# Altium PCB EinsyRetro.PcbDoc (part 1 of 5) (continued)
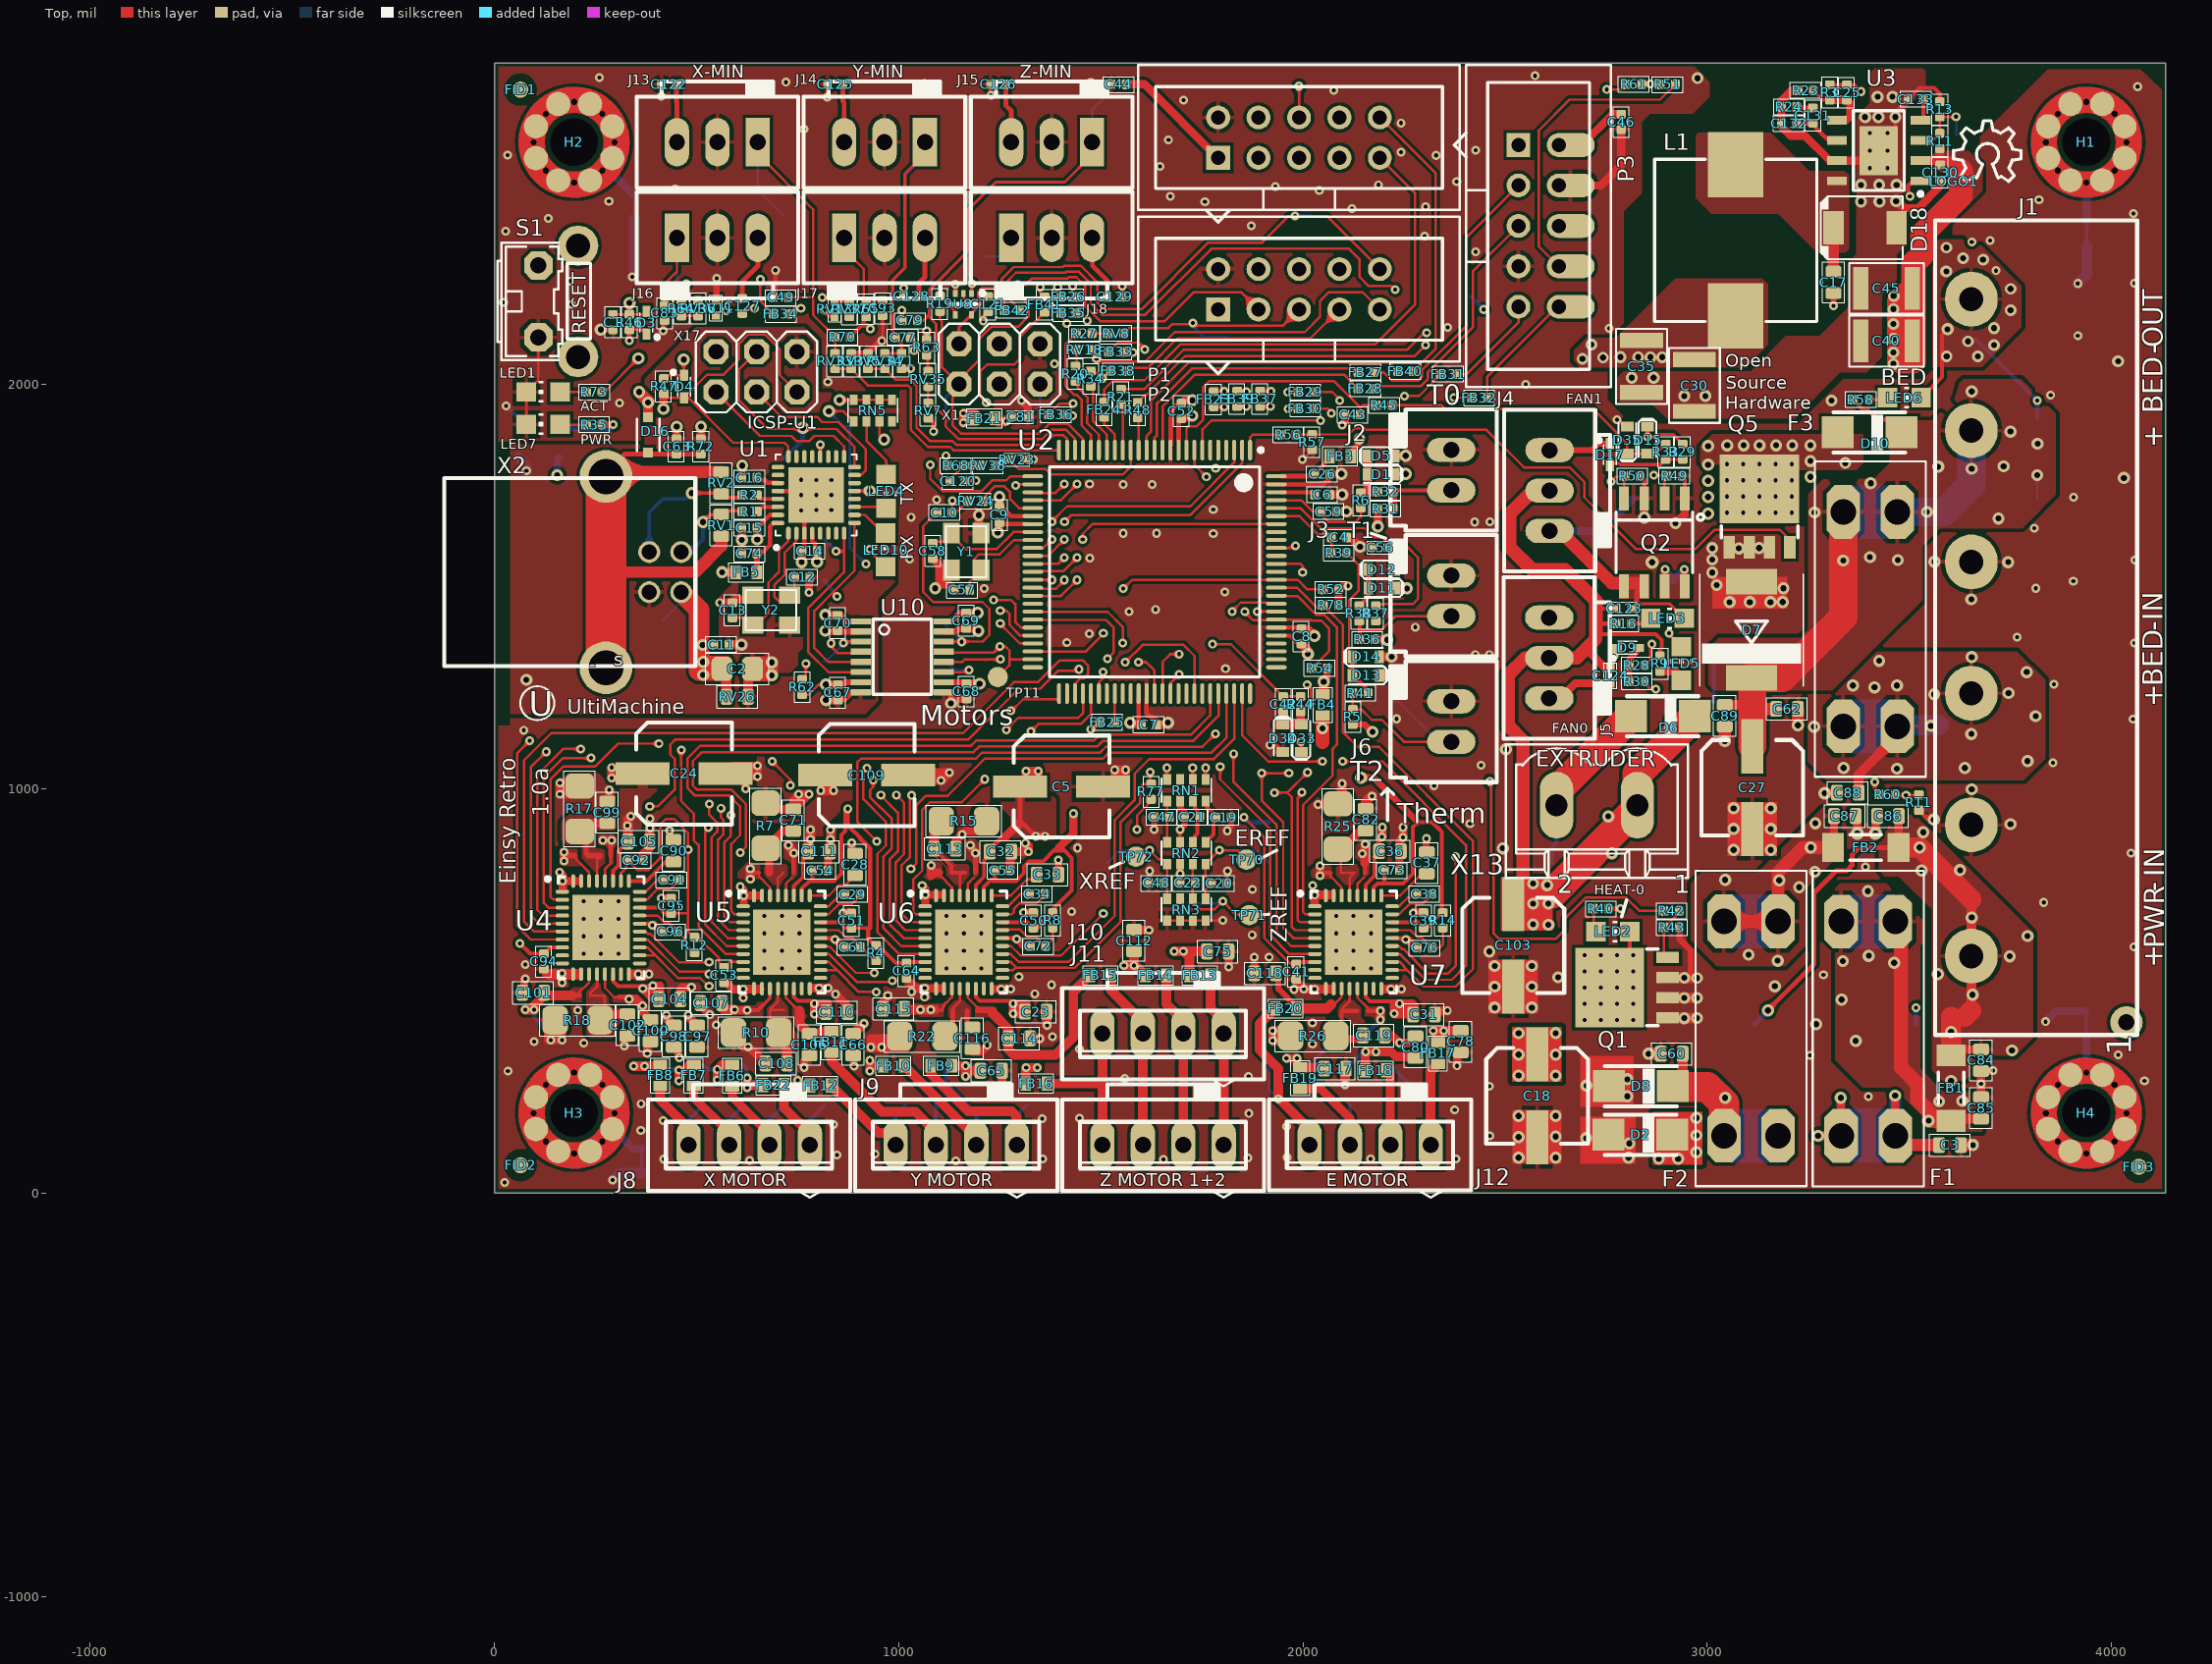
[diagram p0: Top view]
## Components (designator, comment, footprint, x,y, rotation, side; value= is the part's Value field where it differs from the comment)
C1 "22pF" C0402#1 293,2154 r270 top
C2 "10uF" C0805 601,1296 r180 top
C3 "100nF" C0603 3600,118 r0 top
C4 "100nF" C0402#1 2089,1621 r0 top
C5 "UWT1V101MCL1GS" CAP-ELEC-063063077 1402.64,1005 r180 top locked value=100uF
C6 "100nF" C0402#1 2047.5,1726.63 r0 top
C7 "100nF" C0402#1 1618.61,1157.8 r0 top
C8 "100nF" C0402#1 1996,1376.27 r90 top
C9 "100nF" C0402#1 1249,1677 r270 top
C10 "100nF" C0402#1 1113,1682.5 r0 top
C11 "100nF" C0402#1 561,1356 r0 top
C12 "22pF" C0402#1 761,1523 r0 top
C13 "22pF" C0402#1 589,1441 r90 top
C14 "100nF" C0402#1 779.65,1587.79 r180 top
C15 "100nF" C0402#1 631,1645 r180 top
C16 "1uF" C0402#1 631,1769 r180 top
C17 "100nF" C0603 3312,2252 r90 top
C18 "UWT1V101MCL1GS" CAP-ELEC-063063077 2579,240 r90 top locked value=100uF
C19 "1uF" C0402#1 1803.43,928.84 r0 top
C20 "1uF" C0402#1 1792.43,765.46 r0 top
C21 "1uF" C0402#1 1725.68,929.83 r180 top
C22 "1uF" C0402#1 1714.68,766.44 r180 top
C23 "100nF" C0603 1339,448 r180 top
C24 "UWT1V101MCL1GS" CAP-ELEC-063063077 469,1037 r180 top locked value=100uF
C25 "10pF" C0402#2 3345,2722 r270 top
C26 "100nF" C0402#1 2047,1778 r0 top
C27 "UWT1V101MCL1GS" CAP-ELEC-063063077 3111,1002 r90 top locked value=100uF
C28 "100nF" C0603 892,812 r90 top
C29 "22nF" C0402#1 885.38,738 r0 top
C30 "47uF" C1210 2968,1997 r90 top
C31 "100nF" C0603 2299,441 r180 top
C32 "100nF" C0603 1252,844 r180 top
C33 "100nF" C0603 1368,787 r0 top
C34 "22nF" C0402#1 1342,739 r0 top
C35 "47uF" C1210 2837,2044 r90 top
C36 "100nF" C0603 2215,845 r180 top
C37 "100nF" C0603 2306,816 r90 top
C38 "22nF" C0402#1 2300,739 r0 top
C39 "100nF" C0402#1 2298,674 r270 top
C40 "4.7uF" C1210 3443,2107 r0 top
C41 "100nF" C0402#1 1983,547 r90 top
C42 "100nF" C0402#1 1951,1209 r270 top
C43 "100nF" C0402#1 2123,1925 r180 top
C44 "100nF" C0402#1 1544,2742 r180 top
C45 "4.7uF" C1210 3443,2237 r0 top
C46 "100nF" C0402#1 2787,2649 r90 top
C47 "1uF" C0402#1 1650.87,929.83 r180 top
C48 "1uF" C0402#1 1636.92,766.44 r180 top
C49 "100nF" C0402#2 708.15,2215 r0 top
C50 "100nF" C0402#1 1333,674 r270 top
C51 "100nF" C0402#1 883,673 r270 top
C52 "100nF" C0402#1 1699,1934 r90 top
C53 "100nF" C0402#1 568,538 r90 top
C54 "100nF" C0402#1 806,797 r180 top
C55 "100nF" C0402#1 1257,797 r180 top
C56 "100nF" C0402#3 2191,1596 r180 top
C57 "22pF" C0402#1 1156.92,1491.2 r180 top
C58 "22pF" C0402#1 1084,1588 r270 top
C59 "100nF" C0402#1 2063.24,1685.29 r0 top
C60 "100nF" C0603 2912,344 r180 top
C61 "1uF" C0402#1 886,608 r180 top
C62 "100nF" C0603 3197,1197 r0 top
C63 "4.7nF" C0402#1 450.53,1846 r90 top
C64 "100nF" C0402#1 1019,549 r90 top
C65 "1nF" C0603 1229,302 r0 top
C66 "1nF" C0603 887.25,366.25 r270 top
C67 "100nF" C0402#1 849.66,1237.46 r90 top
C68 "100nF" C0402#1 1167.57,1240.35 r90 top
C69 "100nF" C0402#1 1166.59,1415.61 r270 top
C70 "100nF" C0402#1 848.68,1409.7 r270 top
C71 "100nF" C0603 739,922 r270 top
C72 "1uF" C0402#1 1345,610 r180 top
C73 "100nF" C0402#1 2220,798 r180 top
C74 "100nF" C0402#1 631,1581 r180 top
C75 "1nF" C0603 1789,597 r0 top
C76 "1uF" C0402#1 2301,606 r180 top
C77 "100nF" C0402#2 1010,2116 r180 top
C78 "1nF" C0603 2390,374 r270 top
C79 "100nF" C0402#2 1028,2158 r0 top
C80 "1nF" C0603 2278,360.23 r90 top
C81 "4.7nF" C0402#3 1301,1919 r0 top
C82 "100nF" C0603 2155,923 r270 top
C83 "100nF" C0402#2 421,2176 r90 top
C84 "100nF" C0603 3677,328 r270 top
C85 "100nF" C0603 3677,210 r90 top
C86 "100nF" C0603 3447,932 r180 top
C87 "100nF" C0603 3340,932 r0 top
C88 "100nF" C0603 3347.5,989.5 r180 top
C89 "100nF" C0603 3043,1180 r270 top
C90 "100nF" C0603 443,846 r90 top
C91 "22nF" C0402#1 438,774 r0 top
C92 "100nF" C0402#1 350,823 r180 top
C93 "100nF" C0402#2 960,2188.15 r90 top
C94 "100nF" C0402#1 122,572 r90 top
C95 "100nF" C0402#1 437,710 r270 top
C96 "1uF" C0402#1 435,646 r180 top
C97 "1nF" C0603 501.5,387 r270 top
C98 "1nF" C0603 443.5,387.23 r270 top
C99 "100nF" C0603 279,941 r270 top
C100 "1nF" C0603 386,401 r270 top
C101 "1nF" C0603 96,495 r180 top
C102 "100nF" C0603 329,415 r90 top
C103 "UWT1V101MCL1GS" CAP-ELEC-063063077 2520,612 r90 top locked value=100uF
C104 "100nF" C0603 433,479 r180 top
C105 "100nF" C0603 357,869 r180 top
C106 "1nF" C0603 779.25,366.25 r270 top
C107 "1nF" C0603 536.25,469.25 r180 top
C108 "100nF" C0603 697,320 r0 top
C109 "UWT1V101MCL1GS" CAP-ELEC-063063077 920.61,1033.25 r180 top locked value=100uF
C110 "100nF" C0603 847,447 r180 top
C111 "100nF" C0603 803,844 r180 top
C112 "1nF" C0603 1582,624 r90 top
C113 "100nF" C0603 1114,851 r180 top
C114 "1nF" C0603 1298,382 r0 top
C115 "1nF" C0603 987,455 r180 top
C116 "100nF" C0603 1182.25,382.25 r90 top
C117 "1nF" C0603 2079,307 r0 top
C118 "1nF" C0603 1906,543 r180 top
C119 "100nF" C0603 2175,389 r180 top
C120 "100nF" C0402#2 1146,1760 r180 top
C121 "100nF" C0402#2 1221,2198 r270 top
C122 "100nF" C0402#1 432,2742 r180 top
C123 "100nF" C0402#3 2794,1445 r180 top
C124 "100nF" C0402#3 2760.25,1279.25 r90 top
C125 "100nF" C0402#1 843,2742 r180 top
C126 "100nF" C0402#1 1246,2742 r180 top
C127 "100nF" C0402#1 613,2194 r270 top
C128 "100nF" C0402#1 1031,2218 r180 top
C129 "100nF" C0402#1 1534,2216 r0 top
C130 "10nF" C0402#2 3576,2524 r270 top
C131 "2.2nF" C0402#2 3261,2665 r90 top
C132 "22pF" C0402#2 3202,2645 r180 top
C133 "10nF" C0402#2 3516,2705 r180 top
D1 "BAT54" SOD523_IPC 2193,1777 r180 top
D2 "SMAJ28A" SMA-SM#1 2834.81,143.83 r180 top
D3 "1N4148WT" SOD523 376,2152 r90 top
D4 "1N4148WT" SOD523 469.17,1994.13 r270 top
D5 "BAT54" SOD523_IPC 2193,1823 r0 top
D6 "SK310A-TP" SMA-SM#2 2890,1179 r180 top value=-NA-
D7 "S3A-13-F" DO-214AB 3109.33,1392.19 r90 top locked
D8 "SMAJ28A" SMA-SM#1 2835.72,263.68 r180 top
D9 "1N4148WT" SOD523 2802,1348 r0 top
D10 "SK310A-TP" SMA-SM#2 3401,1881 r180 top value=-NA-
D11 "BAT54" SOD523_IPC 2195,1496 r180 top
D12 "BAT54" SOD523_IPC 2195,1542 r0 top
D13 "BAT54" SOD523_IPC 2155.54,1280 r180 top
D14 "BAT54" SOD523_IPC 2155,1326 r0 top
D15 "BAT54" SOD523_IPC 2852,1862 r270 top
D16 "RSB39VTE-17" SOD323-R 380.17,1875.25 r270 top value=30V
D17 "1N4148WT" SOD523 2759,1826 r270 top
D18 "SK54B" SMB_DO-214AA_LRG 3390,2387 r0 top
D33 "BAT54" SOD523_IPC 1996,1124 r90 top
D34 "BAT54" SOD523_IPC 1950,1124 r270 top
D35 "BAT54" SOD523_IPC 2802,1862 r90 top
F1 "3557-2" 3557 3398,406 r270 top value=Fuse
F2 "3557-2" 3557 3107.95,406.39 r270 top locked value=Fuse
F3 "3557-2" 3557 3403,1419 r90 top locked value=Fuse
FB1 "BLM41PG600SN1L" L1806 3603,259 r270 top value=60R
FB2 "BLM41PG600SN1L" L1806 3392,854 r180 top value=60R
FB3 "120R" FB0603 2092,1822 r180 top value=120Rfb
FB4 "120R" FB0603 2049,1207 r270 top value=120Rfb
FB5 "120R" FB0603 623,1535 r0 top value=120Rfb
FB6 "120R" FB0603 588.25,290.07 r270 top value=120Rfb
FB7 "120R" FB0603 493.25,290.25 r270 top value=120Rfb
FB8 "120R" FB0603 410.25,290.25 r270 top value=120Rfb
FB9 "120R" FB0603 1105.25,314.25 r180 top value=120Rfb
FB10 "120R" FB0603 987.25,314.25 r0 top value=120Rfb
FB11 "120R" FB0603 833.25,373.25 r270 top value=120Rfb
FB12 "120R" FB0603 806.25,265.25 r0 top value=120Rfb
FB13 "120R" FB0603 1745,538 r0 top value=120Rfb
FB14 "120R" FB0603 1636,538 r0 top value=120Rfb
FB15 "120R" FB0603 1499,538 r0 top value=120Rfb
FB16 "120R" FB0603 1340.25,270.25 r0 top value=120Rfb
FB17 "120R" FB0603 2334,345 r270 top value=120Rfb
FB18 "120R" FB0603 2180,303 r0 top value=120Rfb
FB19 "120R" FB0603 1993,284 r270 top value=120Rfb
FB20 "120R" FB0603 1957,456 r180 top value=120Rfb
FB21 "120R" FB0603 1212,1916 r0 top value=120Rfb
FB22 "120R" FB0603 690.25,266.25 r0 top value=120Rfb
FB23 "120R" R0402#1 1779,1963 r90 top value=120Rfb
FB24 "120R" R0402#1 1508,1937 r270 top value=120Rfb
FB25 "120R" R0402#1 1515.7,1164 r0 top value=120Rfb
FB26 "120R" R0402#1 1420,2216 r0 top value=120Rfb
FB27 "120R" R0402#1 2155,2030 r0 top value=120Rfb
FB28 "120R" R0402#1 2154.9,1989 r0 top value=120Rfb
FB29 "120R" R0402#1 2006,1981 r180 top value=120Rfb
FB30 "120R" R0402#1 2006,1940 r180 top value=120Rfb
FB31 "120R" R0402#1 2359,2025 r0 top value=120Rfb
FB32 "120R" R0402#1 2436,1967 r180 top value=120Rfb
FB33 "120R" R0402#1 1538,2080 r0 top value=120Rfb
FB34 "120R" R0402#1 708.66,2173.9 r180 top value=120Rfb
FB35 "120R" R0402#1 1420,2176 r180 top value=120Rfb
FB36 "120R" R0402#1 1389,1925 r0 top value=120Rfb
FB37 "120R" R0402#1 1894,1964 r90 top value=120Rfb
FB38 "120R" R0402#1 1543,2033 r180 top value=120Rfb
FB39 "120R" R0402#1 1837,1964 r90 top value=120Rfb
FB40 "120R" R0402#1 2253,2032 r0 top value=120Rfb
FB41 "120R" R0402#1 1361,2197 r90 top value=120Rfb
FB42 "120R" R0402#1 1280,2183 r0 top value=120Rfb
FID1 "FIDUCIAL" FIDUCIAL-1X2 64.23,2728.6 r0 top
FID2 "FIDUCIAL" FIDUCIAL-1X2 64.23,68.17 r0 top
FID3 "FIDUCIAL" FIDUCIAL-1X2 4067.18,64.23 r0 top
H1 "Hole" Wave_hole_3x7-singleSided#1 3937.26,2598.68 r0 top
H2 "Hole" Wave_hole_3x7-singleSided#2 197.1,2598.68 r0 top
H3 "Hole" Wave_hole_3x7-singleSided#3 197.1,197.1 r0 top
H4 "Hole" Wave_hole_3x7-singleSided#3 3937.26,197.1 r0 top
J1 "2-1437667-9" CON-Barrier-6-8.26mm 3813,1398 r90 top locked value=6POS
J2 "CONN 2PIN VERT 0.1\" SHRD LOCKING" 70543-02 2366.39,1787.65 r270 top locked value=HDR2
J3 "CONN 2PIN VERT 0.1\" SHRD LOCKING" 70543-02 2366.39,1476.63 r270 top locked value=HDR2
J4 "Molex 70543-03" 70543-03#1 2610,1737 r90 top locked value=HDR3
J5 "Molex 70543-03" 70543-03#1 2609,1323 r90 top locked value=HDR3
J6 "CONN 2PIN VERT 0.1\" SHRD LOCKING" 70543-02 2366.39,1165.61 r270 top locked value=HDR2
J8 "Molex 0705430003" "4POL254 PIN-IN-PASTE" 630.25,118.25 r180 top locked
J9 "Molex 0705430003" "4POL254 PIN-IN-PASTE" 1142.06,118.25 r180 top locked
J10 "Molex 0705430003" "4POL254 PIN-IN-PASTE" 1653.87,393.84 r180 top locked
J11 "Molex 0705430003" "4POL254 PIN-IN-PASTE" 1653.87,118.25 r180 top locked
J12 "Molex 0705430003" "4POL254 PIN-IN-PASTE" 2166.08,118.65 r180 top locked
J13 "Molex 70543-03" 70543-03#2 551.43,2598.68 r180 top locked value=HDR3
J14 "Molex 70543-03" 70543-03#2 964.82,2598.68 r180 top locked value=HDR3
J15 "Molex 70543-03" 70543-03#2 1378.2,2598.68 r180 top locked value=HDR3
J16 "Molex 70543-03" 70543-03#2 551.43,2362.46 r0 top locked value=HDR3
J17 "Molex 70543-03" 70543-03#2 964.82,2362.46 r0 top locked value=HDR3
J18 "Molex 70543-03" 70543-03#2 1378.2,2362.46 r0 top locked value=HDR3
JP1 "SJ" SJ 879.19,1865.41 r270 bottom
JP3 "SJ_0805" R0805 160.25,1856.25 r90 bottom
JP4 "SJ_0805" R0805 58.25,1856.25 r90 bottom
L1 "4.7uH" IND_10X10 3070,2356 r270 top
LED1 "YEL" LED2012120 121,1981 r180 top
LED2 "RED" LED2012120 2766,646 r0 top
LED3 "RED" LED2012120 2901,1421 r0 top
LED4 "YEL" LED2012120 968.76,1735.49 r270 top
LED5 "RED" LED2012120 2936,1309 r90 top
LED6 "RED" LED2012120 3487,1967 r0 top
LED7 "GRN" LED2012120 121,1901 r180 top
LED10 "YEL" LED2012120 967.77,1589.82 r90 top
LOGO1 "OSHW_LOGO_8MILX0150-NT" OSHW_8X150_NOTEXT 3609,2502 r0 top
"Net Tie1" "NetTie" "Net Tie" 3937,417 r90 bottom net-tie
"Net Tie2" "NetTie" "Net Tie" 346.25,2439.25 r270 bottom net-tie
"Net Tie3" "NetTie" "Net Tie" 364.25,78.25 r270 bottom net-tie
"Net Tie4" "NetTie" "Net Tie" 3938.25,2373.25 r270 bottom net-tie
P1 "HDR10" "HDR2X5 IDC" 1990,2610 r0 top locked
P2 "HDR10" "HDR2X5 IDC" 1990,2235 r0 top locked
P3 "HDR10" "HDR2X5 IDC THIEVING" 2582.68,2391.71 r270 top locked
Q1 "PSMN1R8-40YLC" SOT669 2801.81,507.68 r90 top value=N-FET
Q2 "NCV8402AD" NCV8402AD-SOIC8 2869,1609.15 r180 top locked value=NCV8402
Q5 "PSMN1R8-40YLC" SOT669 3129,1697.39 r0 top value=N-FET
R1 "22r" R0402#1 631,1685 r0 top value=22R
R2 "22r" R0402#1 631,1726 r0 top value=22R
R3 "10.2k" R0402#1 3303,2722 r270 top
R4 "10R" R0402#1 944,593 r90 top
R5 "4.7K" R0402#1 2123,1177 r270 top value=4.7k
R6 "2k37" R0402#1 2143,1713 r270 top
R7 "0.12R" R1206 671,908 r90 top
R8 "10R" R0402#1 1381,674 r90 top
R9 "1.8K" R0402#1 2883,1309 r270 top
R10 "0.12R" R1206 647.25,396.25 r180 top
R11 "665k" R0402#1 3575,2602 r270 top
R12 "10R" R0402#1 495,613 r90 top
R13 "130k" R0402#1 3575,2680 r270 top
R14 "10R" R0402#1 2346,674 r90 top
R15 "0.12R" R1206 1161.25,919.25 r0 top
R16 "1.8K" R0402#1 2793,1408 r0 top
R17 "0.12R" R1206 211,950 r90 top
R18 "0.12R" R1206 206,427 r180 top
R19 "22r" R0402#1 1102,2199 r90 top value=22R
R20 "22r" R0402#1 1437,2026 r90 top value=22R
R21 "100R" R0402#1 1550,1969 r90 top
R22 "0.12R" R1206 1058.25,387.25 r180 top
R23 "1.96k" R0402#1 3243,2727 r0 top
R24 "37.4k" R0402#1 3202,2686 r0 top
R25 "0.12R" R1206 2086.25,906.25 r90 top
R26 "0.12R" R1206 2025,388 r180 top
R27 "22r" R0402#1 1459,2126 r0 top value=22R
R28 "1.8K" R0402#1 2826,1305 r0 top
R29 "1.8K" R0402#1 2939,1833 r90 top
R30 "1K" R0402#1 2826,1265 r180 top
R31 "4.7K" R0402#1 2204,1692 r180 top value=4.7k
R32 "2k37" R0402#1 2204,1734 r180 top
R33 "1K" R0402#1 2897,1833 r270 top
R34 "22r" R0402#1 1475,2014 r270 top value=22R
R35 "1K" R0402#1 247,1900 r0 top
R36 "4.7K" R0402#1 2159,1369 r0 top value=4.7k
R37 "2k37" R0402#1 2180,1433 r90 top
R38 "2k37" R0402#1 2139,1433 r90 top
R39 "2k37" R0402#1 2089,1583 r180 top
R40 "1.8K" R0402#1 2737,703 r180 top
R41 "2k37" R0402#1 2142,1236 r0 top
R42 "100R" R0402#1 2912,697 r0 top
R43 "100K" R0402#1 2912.4,656.5 r180 top
R44 "1K" R0402#1 1994,1209 r270 top
R45 "1K" R0402#1 2201,1948 r0 top
R46 "10K" R0402#1 334,2154 r270 top
R47 "10K" R0402#1 418.98,1995.11 r90 top
R48 "100R" R0402#1 1591,1936 r90 top
R49 "100K" R0402#1 2919,1773 r0 top
R50 "100K" R0402#1 2815,1773 r0 top
R51 "10K" R0402#1 2902,2742 r180 top
R52 "10K" R0402#1 2069,1492.5 r0 top
R54 "10K" R0402#1 2041,1297.5 r0 top
R56 "100R" R0402#1 1963.61,1874.95 r0 top
R57 "100K" R0402#1 2022.98,1856.97 r90 top
R58 "1.8K" R0402#1 3380,1962 r0 top
R60 "4.7k" R0402#1 3446.25,985.25 r180 top
R61 "10K" R0402#1 2818,2742 r0 top
R62 "10K" R0402#1 761.25,1251.25 r270 top
R63 "10K" R0402#1 1069,2091 r270 top
R64 "10K" R0402#1 462.56,2187.91 r270 top
R65 "10K" R0402#1 919.39,2186.02 r90 top
R68 "10K" R0402#1 1141.12,1798.77 r0 top
R70 "10K" R0402#1 861.22,2117.13 r180 top
R71 "10K" R0402#1 1006.89,2057.09 r90 top
R72 "1M" R0402#1 510.53,1846.01 r270 top
R73 "1K" R0402#1 247.25,1981 r0 top
R77 "10K" R0402#1 1624.25,992.25 r270 top
R78 "10K" R0402#1 2069,1453.5 r0 top
RN1 "5.6k" CAY16 1711.72,995.77 r180 top
RN2 "5.6k" CAY16 1711.72,840.26 r180 top
RN3 "10K" CAY16 1711.72,700.5 r180 top
RN5 "1K" CAY16 936.28,1935.29 r180 top
RT1 "NTCG104LH104JT1" R0402#2 3523.25,965.25 r90 top
RV1 "CG0603MLC-05E" R0603 561,1651 r90 top value=5V
RV2 "CG0603MLC-05E" R0603 561,1756 r270 top value=5V
RV3 "VRS0402SR55R101N" C0402#1 882.48,2057.14 r270 top value=12V
RV5 "VRS0402SR55R101N" C0402#1 923.48,2057.14 r270 top value=12V
RV7 "VRS0402SR55R101N" C0402#1 1073,1935 r90 top value=12V
RV8 "120R" R0402#1 1538,2126 r0 top value=120Rfb
RV11 "VRS0402SR55R101N" C0402#3 548,2189 r270 top value=12V
RV13 "VRS0402SR55R101N" C0402#3 841.54,2186.02 r90 top value=12V
RV18 "120R" R0402#1 1459,2085 r0 top value=120Rfb
RV23 "VRS0402SR55R101N" C0402#3 1292.16,1813.65 r180 top value=12V
RV24 "0R" R0402#1 1190,1711 r0 top
RV26 "CG0603MLC-05E" R0603 600.5,1227 r180 top value=5V
RV33 "120R" R0402#1 842.58,2057.04 r90 top value=120Rfb
RV34 "120R" R0402#1 965.55,2057.09 r90 top value=120Rfb
RV35 "120R" R0402#1 1073,2013 r90 top value=120Rfb
RV36 "120R" R0402#1 503.9,2187.91 r270 top value=120Rfb
RV37 "120R" R0402#1 877.79,2185.83 r270 top value=120Rfb
RV38 "120R" R0402#1 1220.65,1799.26 r180 top value=120Rfb
S1 "1571610-2" B3F-31XX 157.73,2204.98 r270 top locked value="Tact PB R/A"
TP1 "TestPoint" TP1-27#1 116,416 r90 bottom
TP2 "TestPoint" TP1-27#1 1216,316 r90 bottom
TP3 "TestPoint" TP1-27#1 3016,1316 r180 bottom
TP4 "TestPoint" TP1-27#1 1016,316 r90 bottom
TP5 "TestPoint" TP1-27#1 1816,316 r90 bottom
TP6 "TestPoint" TP1-27#1 1616,316 r90 bottom
TP7 "TestPoint" TP1-27#1 1716,316 r90 bottom
TP8 "TestPoint" TP1-27#1 1916,916 r90 bottom
TP9 "TestPoint" TP1-27#1 2216,316 r90 bottom
TP10 "TestPoint" TP1-27#1 2016,316 r90 bottom
TP11 "TestPoint" TP1-27#1 1245,1276 r90 top
TP12 "TestPoint" TP1-27#1 1516,816 r90 bottom
TP13 "TestPoint" TP1-27#1 1716,716 r90 bottom
TP14 "TestPoint" TP1-27#1 1916,816 r90 bottom
TP15 "TestPoint" TP1-27#1 2216,1216 r90 bottom
TP16 "TestPoint" TP1-27#1 3816,1716 r180 bottom
TP17 "TestPoint" TP1-27#1 2616,816 r180 bottom
TP18 "TestPoint" TP1-27#1 3816,1916 r180 bottom
TP19 "TestPoint" TP1-27#1 2116,316 r90 bottom
TP20 "TestPoint" TP1-27#1 2216,1716 r180 bottom
TP21 "TestPoint" TP1-27#1 2216,1416 r180 bottom
TP22 "TestPoint" TP1-27#1 2816,1716 r90 bottom
TP23 "TestPoint" TP1-27#1 2916,1516 r90 bottom
TP24 "TestPoint" TP1-27#1 816,1316 r180 bottom
TP25 "TestPoint" TP1-27#1 816,1516 r180 bottom
TP26 "TestPoint" TP1-27#1 816,1616 r180 bottom
TP27 "TestPoint" TP1-27#1 416,2216 r90 bottom
TP28 "TestPoint" TP1-27#1 516,1616 r90 bottom
TP29 "TestPoint" TP1-27#1 1116,1416 r180 bottom
TP30 "TestPoint" TP1-27#1 1216,1316 r180 bottom
TP31 "TestPoint" TP1-27#1 1116,1316 r180 bottom
TP32 "TestPoint" TP1-27#1 2416,2216 r90 bottom
TP33 "TestPoint" TP1-27#1 3016,1216 r90 bottom
TP34 "TestPoint" TP1-27#1 1116,1916 r180 bottom
TP35 "TestPoint" TP1-27#1 416,1716 r90 bottom
TP36 "TestPoint" TP1-27#1 1816,2116 r180 bottom
TP37 "TestPoint" TP1-27#1 1316,1916 r180 bottom
TP38 "TestPoint" TP1-27#1 716,2416 r180 bottom
TP39 "TestPoint" TP1-27#1 716,216 r90 bottom
TP40 "TestPoint" TP1-27#1 1016,2516 r180 bottom
TP41 "TestPoint" TP1-27#1 816,216 r90 bottom
TP42 "TestPoint" TP1-27#1 716,1816 r180 bottom
TP43 "TestPoint" TP1-27#1 616,1916 r180 bottom
TP44 "TestPoint" TP1-27#1 416,2016 r180 bottom
TP45 "TestPoint" TP1-27#1 716,1916 r180 bottom
TP46 "TestPoint" TP1-27#1 416,1416 r180 bottom
TP47 "TestPoint" TP1-27#1 316,1516 r180 bottom
TP48 "TestPoint" TP1-27#1 1516,2716 r180 bottom
TP49 "TestPoint" TP1-27#1 516,216 r90 bottom
TP50 "TestPoint" TP1-27#1 1116,316 r90 bottom
TP51 "TestPoint" TP1-27#1 1516,316 r90 bottom
TP52 "TestPoint" TP1-27#1 1916,316 r90 bottom
TP53 "TestPoint" TP1-27#1 716,316 r90 bottom
TP54 "TestPoint" TP1-27#1 816,2416 r90 bottom
TP55 "TestPoint" TP1-27#1 1416,2016 r90 bottom
TP56 "TestPoint" TP1-27#1 616,216 r90 bottom
TP57 "TestPoint" TP1-27#1 1316,216 r90 bottom
TP58 "TestPoint" TP1-27#1 1016,216 r90 bottom
TP59 "TestPoint" TP1-27#1 2216,216 r90 bottom
TP60 "TestPoint" TP1-27#1 2116,216 r90 bottom
TP61 "TestPoint" TP1-27#2 1216,2316 r90 bottom
TP62 "TestPoint" TP1-27#3 3616,2616 r270 bottom
TP63 "TestPoint" TP1-27#3 2016,2416 r270 bottom
TP66 "TestPoint" TP1-27#1 3116,416 r180 bottom
TP67 "TestPoint" TP1-27#1 3316,416 r180 bottom
TP68 "TestPoint" TP1-27#1 3516,416 r180 bottom
TP69 "TestPoint" TP1-27#1 2813,184 r90 bottom
TP70 "TestPoint" TP1-27#1 1860,824 r90 top
TP71 "TestPoint" TP1-27#1 1867,687 r90 top
TP72 "TestPoint" TP1-27#1 1586.72,831.4 r90 top
TP73 "TestPoint" TP1-27#1 616,316 r90 bottom
TP74 "TestPoint" TP1-27#1 416,316 r90 bottom
TP75 "TestPoint" TP1-27#1 516,316 r90 bottom
U1 "Atmega32u2" QFN32_050050 796,1726 r90 top value=ATMEGA32U2
U2 "Atmega2560" TSQFP50P1600X1600X120-100L 1632.79,1536 r270 top locked value=ATMEGA2560
U3 "TPS54531" SOIC127P600X170_HS-9L 3424,2578 r180 top
U4 "TMC2130-LA" QFN36-50P500X600X900_HS-37N 263.62,656.06 r0 top locked value=TMC2130
U5 "TMC2130-LA" QFN36-50P500X600X900_HS-37N 711,620.06 r0 top locked value=TMC2130
U6 "TMC2130-LA" QFN36-50P500X600X900_HS-37N 1161,620.06 r0 top locked value=TMC2130
U7 "TMC2130-LA" QFN36-50P500X600X900_HS-37N 2125,620.06 r0 top locked value=TMC2130
U8 "74AHCT1G125" SOTFL50P160X60-5L 1160,2198 r270 top
U10 "ADUM7441" QSOP16 1008.13,1326.04 r270 top value=ADUM7441ARQZ
X1 "PINHD-2X3" 2X03 1249,2050 r0 top value=6PIN
X2 "USB-B" PN61729 275.84,1535.68 r270 top locked
X13 "0395311002" MSTBV2 2727,959 r180 top
X17 "PINHD-2X3" 2X03 648.53,2030.56 r0 top locked value=6PIN
Y1 "7M-16.000MEEQ-T" CRYS320250 1167.15,1585.99 r90 top value=16MHz
Y2 "7M-16.000MEEQ-T" CRYS320250 684,1441 r0 top value=16MHz

## Footprints (in the part's own frame and the unit in brackets; to place one, negate y for a bottom-side part, rotate by r counter-clockwise, add the part's x,y. Pads: shape width x height; smd on the part's side, far side on the other; paste and mask are expansions set on the pad)
2X03 [mil]
  oct 62x62 hole 38: 1(-100,-50) 2(-100,50) 3(0,-50) 4(0,50) 5(100,-50) 6(100,50)
  silkscreen extent -150,-100 150,100, body extent -153,-103 153,103, height 336
"4POL254 PIN-IN-PASTE" [mil]
  oval 60x120 hole 40: 1(-150,0) 2(-50,0) 3(50,0) 4(150,0)
  oval 59x119 on Top Paste: ""(-150,0) ""(-50,0) ""(50,0) ""(150,0)
  silkscreen extent -250,-150 250,130, body extent -250,-150 250,113, height 454
3557 [mil] "3557"
  oct 133x83 hole 63: 1(-265,-67) 1(-265,67) 2(265,-67) 2(265,67)
  silkscreen extent -390,-138 390,138, body extent -392,-140 392,140, height 709
70543-02 [mil]
  oval 60x120 hole 40: 1(-50,0) 2(50,0)
  silkscreen extent -150,-150 150,113, body extent -150,-150 150,113, height 450
70543-03#1 [mil]
  oval 60x120 hole 40: 1(-100,0) 2(0,0) 3(100,0)
  silkscreen extent -200,-150 200,113, body extent -200,-150 200,113, height 450
70543-03#2 [mil]
  rect 60x120 hole 40: 1(-100,0)
  oval 60x120 hole 40: 2(0,0) 3(100,0)
  silkscreen extent -200,-150 200,113, body extent -200,-150 200,113, height 450
B3F-31XX [mil]
  oct 70x70 hole 40: 1(-89,-49) 2(89,-49)
  round 100 hole 59: 3(-138,49) 4(138,49)
  silkscreen extent -145,-150 145,10, body extent -165,-200 165,109, height 303
C0402#1 [mil]
  rrect40% 22x24 smd: 1(-18.7,0) 2(19,0)
  silkscreen extent -38,-19 38,20, body extent -20,-10 20,10, height 20
C0402#2 [mil]
  rrect40% 22x24 smd: 1(18.85,0) 2(-18.85,0)
  silkscreen extent -38,-20 38,19, body extent -20,-10 20,10, height 20
C0402#3 [mil] "Chip Capacitor, Ceramic, 0402, Manually adjusted"
  rect 21.65x19.68 smd: 1(-18.7,0) 2(18.7,0)
  silkscreen extent -31,-16 31,16, body extent -21,-11 21,11, height 20
C0603 [mm]
  rrect40% 0.74x1 smd: 1(-0.68,0) 2(0.68,0)
  silkscreen extent -1.28,-0.7 1.28,0.7, body extent -0.8,-0.4 0.8,0.4, height 0.8
C0805 [mil]
  rrect50% 52x60 smd: 1(-37.4,0) 2(38,0)
  silkscreen extent -78,-39 78,39, body extent -40,-30 40,30, height 35
C1210 [mm]
  rect 0.95x2.7 smd: 1(-1.625,0) 2(1.625,0)
  silkscreen extent -2.35,-1.6 2.35,1.6, body extent -1.75,-1.35 1.75,1.35, height 2.7
CAP-ELEC-063063077 [mm] "6.3x6.3x7.7mm"
  rect 3.4x1.4 smd: 1(2.6,0) 2(-2.6,0)
  silkscreen extent -3,-3.2 3,3.2, body extent -3.5,-3.3 3.5,3.3, height 5.4
CAY16 [mil]
  rect 20x26 smd: 1(-47.24,-26.57) 2(-15.75,-26.57) 3(16,-26.57) 4(48,-26.57) 5(48,27) 6(16,27) 7(-15.75,27) 8(-47.24,27)
  silkscreen extent -61,-30 62,30, body extent -61,-30 62,30, height 20
CON-Barrier-6-8.26mm [mil]
  oval 136x130 hole 60: 1(-812.5,160) 2(-487.5,160) 3(-162.5,160) 4(162.5,160) 5(487.5,160) 6(812.5,160)
  silkscreen extent -1008,-250 1008,250, body extent -1007,-250 1007,250, height 530
CRYS320250 [mil]
  rect 52x42 smd: 1(-45.28,-36.42) 2(46,-36.42) 3(46,37) 4(-45.28,37)
  silkscreen extent -63,-49 63,50, body extent -63,-49 63,50, height 28
DO-214AB [mil]
  rect 63x126 smd: A(119,0) C(-118.11,0)
  silkscreen extent -138,-128 138,128, body extent -140,-130 140,130, height 98
FB0603 [mm] "Ferrite Bead, Samsung CIS10P High Current Series"
  rect 0.67x0.88 smd: 1(-0.665,0) 2(0.665,0)
  silkscreen extent -1.1,-0.6 1.1,0.6, body extent -0.87,-0.48 0.87,0.48, height 0.95
FIDUCIAL-1X2 [mil]
  rrect100% 40x40 smd paste-3897.64 mask+20: 1(0,0)
  body extent -20,-20 20,20, height 1
"HDR2X5 IDC" [mm] "Connector; Header; 5x2 Position"
  rect 1.5x1.5 hole 0.9: 1(-5.08,-1.27)
  round 1.5 hole 0.9: 2(-5.08,1.27) 3(-2.54,-1.27) 4(-2.54,1.27) 5(0,-1.27) 6(0,1.27) 7(2.54,-1.27) 8(2.54,1.27) 9(5.08,-1.27) 10(5.08,1.27)
  silkscreen extent -10.11,-5.31 10.11,4.55, body extent -10.19,-4.63 10.19,4.63, height 9.1
"HDR2X5 IDC THIEVING" [mm] "Connector; Header; 5x2 Position"
  rect 1.5x1.5 hole 0.9 mask+0.051: 1(-5.08,-1.27)
  oval 1.5x3 hole 0.9 copper offset 0,0.75 mask-0.914: 2(-5.08,1.27) 4(-2.54,1.27) 6(0,1.27) 8(2.54,1.27) 10(5.08,1.27)
  round 1.5 hole 0.9 mask+0.051: 3(-2.54,-1.27) 5(0,-1.27) 7(2.54,-1.27) 9(5.08,-1.27)
  rect 1.5x1.5 smd far side paste-0.762: ""(-5.08,4.521) ""(-2.54,4.521) ""(0,4.521) ""(2.54,4.521) ""(5.08,4.521)
  round 1.602 on Top Solder: ""(-5.08,1.27) ""(-2.54,1.27) ""(0,1.27) ""(2.54,1.27) ""(5.08,1.27)
  round 1.602 on Bottom Solder: ""(-5.08,1.27) ""(-2.54,1.27) ""(0,1.27) ""(2.54,1.27) ""(5.08,1.27)
  silkscreen extent -10.11,-5.31 10.11,4.55, body extent -10.19,-4.63 10.19,4.63, height 9.1
IND_10X10 [mm]
  rect 4.1x3.5 smd: 1(-4.75,0) 2(4.75,0)
  silkscreen extent -5.1,-5.1 5.1,5.1, body extent -5,-5 5,5, height 4
L1806 [mm] "Chip Inductor, 2-Leads, Body 4.50x1.60mm, IPC Medium Density"
  rect 1.38x1.8 smd: 1(-2.06,0) 2(2.06,0)
  silkscreen extent -1,-0.8 1,0.8, body extent -2.35,-0.9 2.35,0.9, height 1.8
LED2012120 [mil]
  rect 48x48 smd: A(-41.34,0) C(42,0)
  silkscreen extent 0,-27 12,27, body extent -50,-25 50,25, height 28
MSTBV2 [mil]
  oval 82.5x165 hole 55: 1(-100,0) 2(100,0)
  silkscreen extent -225,-150 225,180, body extent -228,-153 228,183, height 394
NCV8402AD-SOIC8 [mil]
  rect 24x60 smd: 1(-75,-108.27) 2(-25,-108.27) 3(25,-108.27) 4(75,-108.27) 5(25,109) 5(75,109) 7(-75,109) 7(-25,109)
  silkscreen extent -122,-75 95,75, body extent -98,-130 99,130, height 58
"Net Tie" [mil]
  rrect50% 46x63 smd: 1(-30,0) 2(30,0)
  Top lines w8: -30,0 30,0
  silkscreen extent -65,-40 65,40, body extent -53,-31 53,31, height 4
OSHW_8X150_NOTEXT [mil]
  silkscreen extent 0,0 167,150, body extent 0,2 168,148
PN61729 [mil]
  round 54 hole 38: 1(50,186) 2(-49.21,186) 3(-49.21,107) 4(50,107)
  round 130.5 hole 87: P$1(-236.22,0) P$2(237,0)
  silkscreen extent -232,-400 233,221, body extent -237,-405 238,226, height 406
QFN32_050050 [mm]
  rrect80% 0.8x0.28 smd mask+0.05: 1(-2.4,1.75) 2(-2.4,1.25) 3(-2.4,0.75) 4(-2.4,0.25) 5(-2.4,-0.25) 6(-2.4,-0.75) 7(-2.4,-1.25) 8(-2.4,-1.75) 17(2.413,-1.75) 18(2.413,-1.25) 19(2.413,-0.75) 20(2.413,-0.25) 21(2.413,0.25) 22(2.413,0.75) 23(2.413,1.25) 24(2.413,1.75)
  rrect80% 0.28x0.8 smd mask+0.05: 9(-1.75,-2.4) 10(-1.25,-2.4) 11(-0.75,-2.4) 12(-0.25,-2.4) 13(0.25,-2.4) 14(0.75,-2.4) 15(1.25,-2.4) 16(1.75,-2.4) 25(1.75,2.413) 26(1.25,2.413) 27(0.75,2.413) 28(0.25,2.413) 29(-0.25,2.413) 30(-0.75,2.413) 31(-1.25,2.413) 32(-1.75,2.413)
  rect 3.48x3.48 smd paste-4: 33(0,0)
  silkscreen extent -3.4,-2.54 2.54,2.6, body extent -2.84,-2.84 2.86,2.86, height 1
QFN36-50P500X600X900_HS-37N [mm] "QFN, 36-Leads, Body 5.00x6.00mm, Pitch 0.50mm, Thermal Pad 3.60x4.10mm, IPC Medium Density"
  oval 0.85x0.25 smd mask+0.051: 1(-2.43,2.25) 2(-2.43,1.75) 3(-2.43,1.25) 4(-2.43,0.75) 5(-2.43,0.25) 6(-2.43,-0.25) 7(-2.43,-0.75) 8(-2.43,-1.25) 9(-2.43,-1.75) 10(-2.43,-2.25) 19(2.43,-2.25) 20(2.43,-1.75) 21(2.43,-1.25) 22(2.43,-0.75) 23(2.43,-0.25) 24(2.43,0.25) 25(2.43,0.75) 26(2.43,1.25) 27(2.43,1.75) 28(2.43,2.25)
  oval 0.25x0.85 smd mask+0.051: 11(-1.75,-2.925) 12(-1.25,-2.925) 13(-0.75,-2.925) 14(-0.25,-2.925) 15(0.25,-2.925) 16(0.75,-2.925) 17(1.25,-2.925) 18(1.75,-2.925) 29(1.75,2.925) 30(1.25,2.925) 31(0.75,2.925) 32(0.25,2.925) 33(-0.25,2.925) 34(-0.75,2.925) 35(-1.25,2.925) 36(-1.75,2.925)
  rect 3.6x4.1 smd paste-2.159 mask+0.051: 37(0,0)
  rect 1.34x1.57 on Top Paste: ""(-0.821,-0.936) ""(-0.82,0.935) ""(0.82,-0.936) ""(0.82,0.936)
  silkscreen extent -3.47,-3.2 2.7,3.2, body extent -2.55,-3.05 2.55,3.05, height 0.9
QSOP16 [mil]
  rect 15x50 smd: 1(-87.5,-102.36) 2(-62.5,-102.36) 3(-37.5,-102.36) 4(-12.5,-102.36) 5(13,-102.36) 6(38,-102.36) 7(63,-102.36) 8(88,-102.36) 9(88,103) 10(63,103) 11(38,103) 12(13,103) 13(-12.5,103) 14(-37.5,103) 15(-62.5,103) 16(-87.5,103)
  round 25 on Top Overlay: ""(-115,-100)
  silkscreen extent -92,-72 93,73, body extent -95,-125 95,125, height 65
R0402#1 [mil]
  rrect40% 22x24 smd: 1(-18.9,0) 2(19,0)
  silkscreen extent -38,-19 38,20, body extent -20,-10 20,10, height 14
R0402#2 [mil]
  rrect40% 23.62x24 smd: 1(-18.9,0) 2(19,0)
  body extent -20,-10 20,10, height 14
R0603 [mm]
  rrect40% 0.74x1 smd: 1(-0.68,0) 2(0.68,0)
  silkscreen extent -1.27,-0.7 1.28,0.7, body extent -0.8,-0.4 0.8,0.4, height 0.8
R0805 [mm]
  rect 0.85x1.25 smd: 1(-0.925,0) 2(0.925,0)
  silkscreen extent -0.1,-0.53 0.1,0.53, body extent -1.1,-0.7 1.1,0.7, height 0.5
R1206 [mil]
  rrect50% 63x71 smd: 1(-55.98,0) 2(56,0)
  silkscreen extent -94,-39 94,39, body extent -61,-31 61,31, height 24
SJ [mil]
  rrect50% 46x63 smd paste-32: 1(-30,0) 2(30,0)
  silkscreen extent -65,-40 65,40, body extent -53,-31 53,31, height 4
SMA-SM#1 [mil]
  rect 79x79 smd: A(79,0) K(-78.74,0)
  silkscreen extent -89,-49 89,50, body extent -105,-54 105,55, height 116
SMA-SM#2 [mil]
  rect 79x79 smd: A(79,0) K(-78.74,0)
  round 25 on Top Overlay: ""(-107.28,56.1)
  silkscreen extent -89,-49 89,50, body extent -105,-54 105,55, height 116
SMB_DO-214AA_LRG [mil]
  rect 50x83 smd mask+2: A(78,0) K(-78,0)
  silkscreen extent -109,-78 93,78
SOD323-R [mil]
  rect 24x24 smd: A(44,0) C(-43.31,0)
  round 30 on Top Overlay: ""(-60,35)
  silkscreen extent -39,-28 40,28, body extent -50,-31 50,31, height 28
SOD523 [mil]
  rect 28x20 smd: A(27.56,0) C(-27.56,0)
  silkscreen extent -40,-31 24,16, body extent -30,-16 30,16, height 28
SOD523_IPC [mm]
  rect 0.6x0.8 smd: A(0.85,0) K(-0.85,0)
  silkscreen extent -1.35,-0.55 1.07,0.55, body extent -0.65,-0.45 0.65,0.45, height 0.65
SOIC127P600X170_HS-9L [mm] "SOIC, 8-Leads, Body 4.90x3.90mm, Pitch 1.27mm, Thermal Pad 3.10x2.40mm, IPC High Density"
  rect 1.25x0.55 smd: 1(-2.625,1.905) 2(-2.625,0.635) 3(-2.625,-0.635) 4(-2.625,-1.905) 5(2.625,-1.905) 6(2.625,-0.635) 7(2.625,0.635) 8(2.625,1.905)
  rect 2.4x3.1 smd: 9(0,0)
  silkscreen extent -2.75,-2.5 1.6,2.85, body extent -2,-2.5 2,2.5, height 1.7
SOT669 [mm]
  rect 0.711x1.422 smd: 1(-1.905,-2.55) 2(-0.635,-2.55) 3(0.635,-2.55) 4(1.905,-2.55)
  rect 5.004x4.318 smd paste-2.6: MB(0,1.118)
  rect 2.26x1.91 on Top Paste: ""(-1.351,2.315) ""(-1.351,-0.036) ""(1.351,-0.037) ""(1.351,2.314)
  silkscreen extent -2.4,-1.95 2.41,-1.22, body extent -2.44,-3.05 2.46,3.25, height 1.1
SOTFL50P160X60-5L [mm] "SOTFL, 5-Leads, Body 1.60x1.60mm, Pitch 0.50mm, IPC High Density"
  rect 0.45x0.3 smd: 1(-0.675,0.503) 2(-0.675,0) 3(-0.675,-0.503) 4(0.675,-0.5) 5(0.675,0.5)
  silkscreen extent -0.8,-0.85 0.05,1.33, body extent -0.8,-0.85 0.8,0.85, height 0.6
TP1-27#1 [mil]
  rrect100% 50x50 smd paste-50: TP(0,0)
  body extent -25,-25 25,25, height 0
TP1-27#2 [mil]
  rrect100% 50x50 smd paste-50 mask+6: TP(0,0)
  body extent -25,-25 25,25, height 0
TP1-27#3 [mil]
  rrect100% 50x50 smd: TP(0,0)
  body extent -25,-25 25,25, height 0
TSQFP50P1600X1600X120-100L [mm] "TSQFP, 100-Leads, Body 14.00x14.00mm, Pitch 0.50mm, IPC High Density"
  oval 1.3x0.25 smd: 1(-7.65,6) 2(-7.65,5.5) 3(-7.65,5) 4(-7.65,4.5) 5(-7.65,4) 6(-7.65,3.5) 7(-7.65,3) 8(-7.65,2.5) 9(-7.65,2) 10(-7.65,1.5) 11(-7.65,1) 12(-7.65,0.5) 13(-7.65,0) 14(-7.65,-0.5) 15(-7.65,-1) 16(-7.65,-1.5) 17(-7.65,-2) 18(-7.65,-2.5) 19(-7.65,-3) 20(-7.65,-3.5) 21(-7.65,-4) 22(-7.65,-4.5) 23(-7.65,-5) 24(-7.65,-5.5) 25(-7.65,-6) 51(7.65,-6) 52(7.65,-5.5) 53(7.65,-5) 54(7.65,-4.5) 55(7.65,-4) 56(7.65,-3.5) 57(7.65,-3) 58(7.65,-2.5) 59(7.65,-2) 60(7.65,-1.5) 61(7.65,-1) 62(7.65,-0.5) 63(7.65,0) 64(7.65,0.5) 65(7.65,1) 66(7.65,1.5) 67(7.65,2) 68(7.65,2.5) 69(7.65,3) 70(7.65,3.5) 71(7.65,4) 72(7.65,4.5) 73(7.65,5) 74(7.65,5.5) 75(7.65,6)
  oval 0.25x1.3 smd: 26(-6,-7.65) 27(-5.5,-7.65) 28(-5,-7.65) 29(-4.5,-7.65) 30(-4,-7.65) 31(-3.5,-7.65) 32(-3,-7.65) 33(-2.5,-7.65) 34(-2,-7.65) 35(-1.5,-7.65) 36(-1,-7.65) 37(-0.5,-7.65) 38(0,-7.65) 39(0.5,-7.65) 40(1,-7.65) 41(1.5,-7.65) 42(2,-7.65) 43(2.5,-7.65) 44(3,-7.65) 45(3.5,-7.65) 46(4,-7.65) 47(4.5,-7.65) 48(5,-7.65) 49(5.5,-7.65) 50(6,-7.65) 76(6,7.65) 77(5.5,7.65) 78(5,7.65) 79(4.5,7.65) 80(4,7.65) 81(3.5,7.65) 82(3,7.65) 83(2.5,7.65) 84(2,7.65) 85(1.5,7.65) 86(1,7.65) 87(0.5,7.65) 88(0,7.65) 89(-0.5,7.65) 90(-1,7.65) 91(-1.5,7.65) 92(-2,7.65) 93(-2.5,7.65) 94(-3,7.65) 95(-3.5,7.65) 96(-4,7.65) 97(-4.5,7.65) 98(-5,7.65) 99(-5.5,7.65) 100(-6,7.65)
  silkscreen extent -7.77,-6.6 6.6,6.8, body extent -7,-7 7,7, height 1.2
Wave_hole_3x7-singleSided#1 [mil]
  round 0 hole 118.11 unplated paste+0 mask-112: 0(0,0)
  round 0 hole 15 paste-20 mask-20: 1(-100,0) 1(-70,-70) 1(-70,70) 1(0,-100) 1(0,100) 1(70,-70) 1(70,70) 1(100,0)
  round 60 smd paste-5 mask+0: 1(-94.49,-39.37) 1(-94.49,39.37) 1(-39.37,-94.49) 1(-39.37,94.49) 1(39.37,-94.49) 1(39.37,94.49) 1(94.49,-39.37) 1(94.49,39.37)
  Top circle w64.96: c0,0 r105
  Bottom lines w64.96: 0,-105 cw(c0,0) 105,0 cw(c0,0) 77.16,-71.22 cw(c0,0) 0,-105
  body extent -105,-105 105,105
Wave_hole_3x7-singleSided#2 [mil]
  round 0 hole 118.11 unplated paste+0 mask-112: 0(0,0)
  round 0 hole 15 paste-20 mask-20: 1(-100,0) 1(-70,-70) 1(-70,70) 1(0,-100) 1(0,100) 1(70,-70) 1(70,70) 1(100,0)
  round 60 smd paste-5 mask+0: 1(-94.49,-39.37) 1(-94.49,39.37) 1(-39.37,-94.49) 1(-39.37,94.49) 1(39.37,-94.49) 1(39.37,94.49) 1(94.49,-39.37) 1(94.49,39.37)
  Top circle w64.96: c0,0 r105
  Bottom lines w64.96: -3.94,-104.93 cw(c0,0) 105,0 ; -3.94,-104.93 cw(c0,0) 105,0 ; -3.94,-104.93 cw(c0,0) 105,0 ; -3.94,-104.93 cw(c0,0) 105,0 ; -3.94,-104.93 cw(c0,0) 105,0 ; -3.94,-104.93 cw(c0,0) 105,0 ; -3.94,-104.93 cw(c0,0) 105,0 ; -3.94,-104.93 ccw(c0,0) 82.44,-65.03 ; -3.94,-104.93 ccw(c0,0) 82.44,-65.03 ; 82.44,-65.03 ccw(c0,0) 105,0 ; 82.44,-65.03 ccw(c0,0) 105,0
  body extent -105,-105 105,105
Wave_hole_3x7-singleSided#3 [mil]
  round 0 hole 118.11 unplated paste+0 mask-112: 0(0,0)
  round 0 hole 15 paste-20 mask-20: 1(-100,0) 1(-70,-70) 1(-70,70) 1(0,-100) 1(0,100) 1(70,-70) 1(70,70) 1(100,0)
  round 60 smd paste-5 mask+0: 1(-94.49,-39.37) 1(-94.49,39.37) 1(-39.37,-94.49) 1(-39.37,94.49) 1(39.37,-94.49) 1(39.37,94.49) 1(94.49,-39.37) 1(94.49,39.37)
  Top circle w64.96: c0,0 r105
  Bottom lines w64.96: -74.25,74.25 ccw(c0,0) 74.25,-74.25 ccw(c0,0) 97.3,-39.48 ccw(c0,0) 105,0 ccw(c0,0) -74.25,74.25
  body extent -105,-105 105,105